# KiCad board TKL.kicad_pcb (continued)
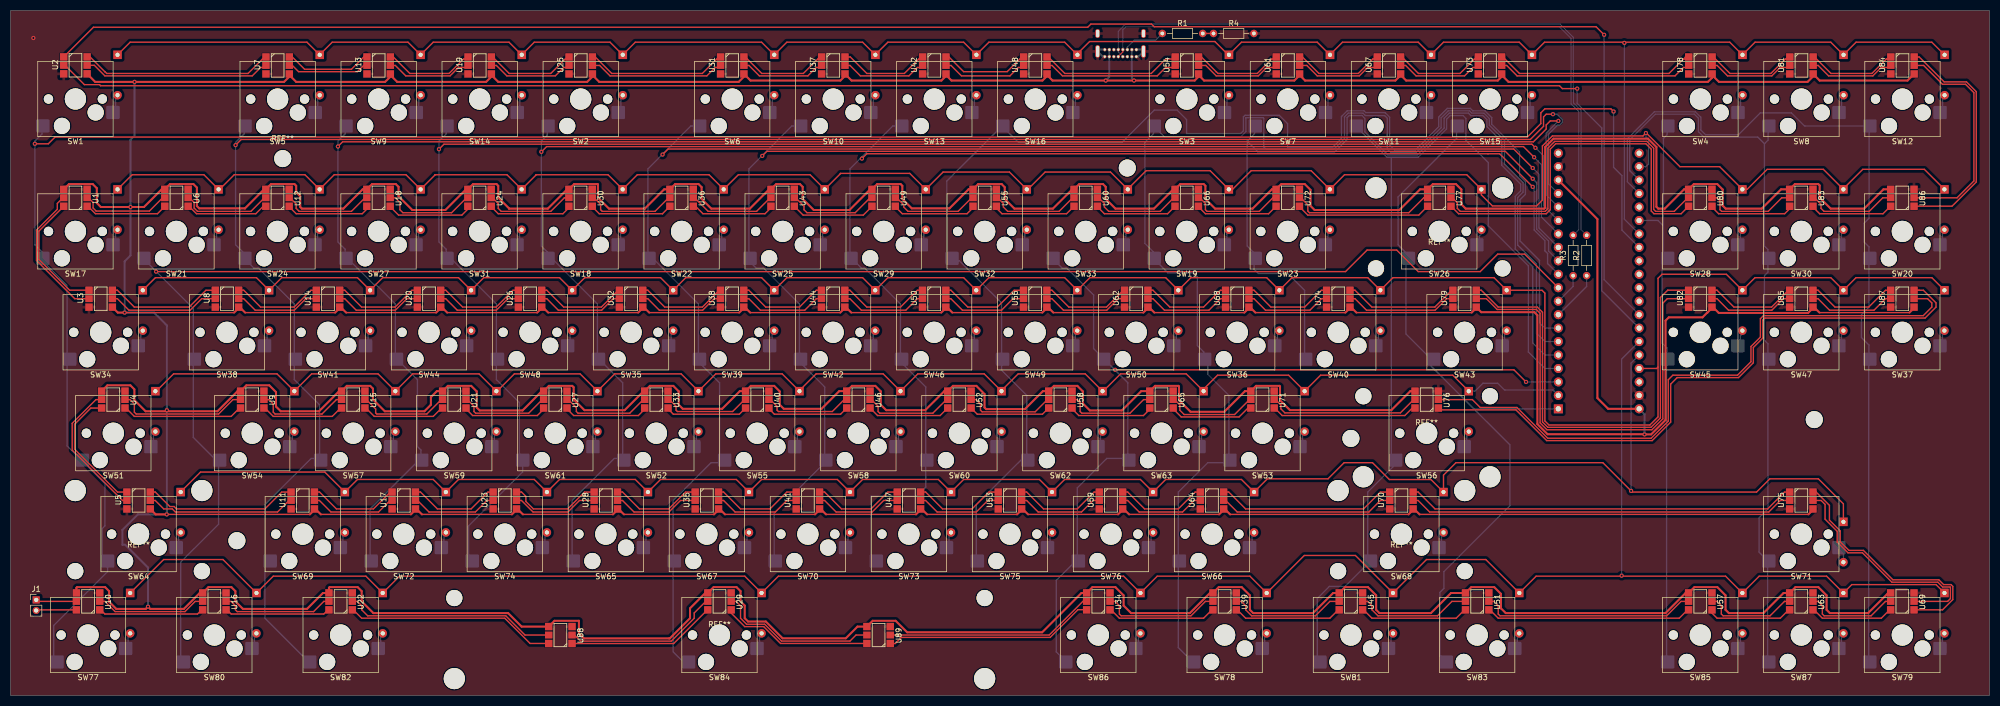
[diagram p0: board, top side]
## Routing (per net, layer and track width the routed paths; a pad name or vN(x,y) marks a point on that pad's centre or on a via; arc(x,y) is an arc through that point) (continued)
Row5: length 378.2
  Top w0.25: 32.07,38.42 35.81,42.16 59.25,42.16 D69.1 65.41,40.77 79.69,40.77 D72.1 84.45,40.77 98.74,40.77 D74.1 103.5,40.77 117.79,40.77 D65.1 122.56,40.77 136.84,40.77 D67.1 141.6,40.77 155.89,40.77 D70.1 160.66,40.77 174.94,40.77 D73.1 179.71,40.77 193.99,40.77 D75.1 198.75,40.77 213.04,40.77 D76.1 217.81,40.77 232.09,40.77 D66.1 236.98,40.89 248.41,40.89 251.46,43.94 256.79,43.94 259.98,40.75 267.83,40.75 D68.1 270.19,41.59 272.54,43.94 300.23,43.94 v1(305.56,38.61) 305.78,38.39 329.22,38.39 331.72,40.89 340.87,40.89 345.6,36.16 D71.1
  Bottom w0.25: U90.36 305.56,62.74 v1(305.56,38.61)
Row6: length 421.2
  Top w0.25: D77.1 28.86,25.65 40.04,25.65 D80.1 49.53,22.51 66.99,22.51 D82.1 73.34,22.51 138.43,22.51 D84.1 144.78,22.51 209.87,22.51 D86.1 216.22,22.51 233.68,22.51 D78.1 243.94,26.42 253.59,26.42 D81.1 266.99,25.65 278.16,25.65 D83.1 287.65,22.51 303.69,22.51 v1(303.78,22.61) 303.88,22.51 323.37,22.51 D85.1 329.72,22.51 342.42,22.51 D87.1 347.19,20.92 363.06,20.92 D79.1
  Bottom w0.25: U90.35 303.78,63.5 v1(303.78,22.61)
Net-(D1-A): length 3.1
  Bottom w0.25: 20.16,113 19.78,112.62 19.78,110.06
Net-(D2-A): length 3.1
  Bottom w0.25: 115.41,113 115.06,112.65 115.06,110.04
Net-(D3-A): length 3.1
  Bottom w0.25: 229.71,113 229.36,112.65 229.36,110.04
Net-(D4-A): length 3.1
  Bottom w0.25: 326.2,110.04 326.2,112.65 326.55,113
Net-(D5-A): length 3.1
  Bottom w0.25: 58.26,113 57.91,112.65 57.91,110.04
Net-(D6-A): length 3.1
  Bottom w0.25: 143.64,110.04 143.64,112.65 143.99,113
Net-(D7-A): length 2.6
  Bottom w0.25: 248.41,110.04 248.41,112.65
Net-(D8-A): length 3.1
  Bottom w0.25: 345.25,110.04 345.25,112.65 345.6,113
Net-(D9-A): length 3.1
  Bottom w0.25: 76.96,110.04 76.96,112.65 77.31,113
Net-(D10-A): length 3.1
  Bottom w0.25: 162.69,110.04 162.69,112.65 163.04,113
Net-(D11-A): length 2.6
  Bottom w0.25: 267.46,110.04 267.46,112.65
Net-(D12-A): length 3.1
  Bottom w0.25: 364.65,113 364.3,112.65 364.3,110.04
Net-(D13-A): length 3.1
  Bottom w0.25: 182.09,113 181.74,112.65 181.74,110.04
Net-(D14-A): length 3.1
  Bottom w0.25: 96.01,110.04 96.01,112.65 96.36,113
Net-(D15-A): length 3.1
  Bottom w0.25: 286.86,113 286.51,112.65 286.51,110.04
Net-(D16-A): length 3.1
  Bottom w0.25: 201.14,113 200.79,112.65 200.79,110.04
Net-(D17-A): length 2.9
  Bottom w0.25: 19.78,85.06 19.78,87.95
Net-(D18-A): length 2.3
  Bottom w0.25: 115.03,85.06 115.03,87.39
Net-(D19-A): length 2.7
  Bottom w0.25: 229.33,85.06 229.33,87.1 229.83,87.59
Net-(D20-A): length 3.2
  Bottom w0.25: 364.27,85.06 364.27,87.23 365.03,87.99
Net-(D21-A): length 3.1
  Bottom w0.25: 38.83,85.06 38.83,88.19
Net-(D22-A): length 2.6
  Bottom w0.25: 134.08,85.06 134.08,87.65
Net-(D23-A): length 2.4
  Bottom w0.25: 248.38,85.06 248.38,87.15 248.63,87.39
Net-(D24-A): length 2.8
  Bottom w0.25: 57.88,85.06 57.88,87.85
Net-(D25-A): length 2.4
  Bottom w0.25: 153.13,85.06 153.13,87.49
Net-(D26-A): length 2.9
  Bottom w0.25: 277.83,87.59 276.96,86.72 276.96,85.06
Net-(D27-A): length 2.8
  Bottom w0.25: 76.93,85.06 76.93,87.89
Net-(D28-A): length 2.5
  Bottom w0.25: 326.17,85.06 326.17,87.54
Net-(D29-A): length 2.9
  Bottom w0.25: 172.18,85.06 172.18,87.95
Net-(D30-A): length 2.5
  Bottom w0.25: 345.22,85.06 345.22,87.54
Net-(D31-A): length 2.9
  Bottom w0.25: 95.98,85.06 95.98,87.95
Net-(D32-A): length 2.7
  Bottom w0.25: 191.23,85.06 191.23,87.2 191.63,87.59
Net-(D33-A): length 2.5
  Bottom w0.25: 210.28,85.06 210.28,87.05 210.63,87.39
Net-(D34-A): length 2.9
  Bottom w0.25: 24.55,66.01 24.55,68.91
Net-(D35-A): length 2.9
  Bottom w0.25: 124.56,66.01 124.56,68.86
Net-(D36-A): length 3.4
  Bottom w0.25: 238.86,66.01 238.86,69.36
Net-(D37-A): length 2.5
  Bottom w0.25: 364.27,66.01 364.27,68.55
Net-(D38-A): length 2.9
  Bottom w0.25: 48.36,66.01 48.36,68.92
Net-(D39-A): length 2.8
  Bottom w0.25: 143.61,66.01 143.61,68.77
Net-(D40-A): length 2.9
  Bottom w0.25: 257.91,66.01 257.91,68.87
Net-(D41-A): length 3
  Bottom w0.25: 67.41,66.01 67.41,68.97
Net-(D42-A): length 2.8
  Bottom w0.25: 162.66,66.01 162.66,68.82
Net-(D43-A): length 2.9
  Bottom w0.25: 281.72,66.01 281.72,68.88
Net-(D44-A): length 2.8
  Bottom w0.25: 86.46,66.01 86.46,68.82
Net-(D45-A): length 2.6
  Bottom w0.25: 326.17,66.01 326.17,67.93 326.63,68.39
Net-(D46-A): length 2.7
  Bottom w0.25: 181.71,66.01 181.71,68.67
Net-(D47-A): length 2.2
  Bottom w0.25: 345.22,66.01 345.22,68.18
Net-(D48-A): length 2.7
  Bottom w0.25: 105.51,66.01 105.51,68.67
Net-(D49-A): length 2.9
  Bottom w0.25: 200.76,66.01 200.76,68.86
Net-(D50-A): length 3
  Bottom w0.25: 219.81,66.01 219.81,68.97
Net-(D51-A): length 2.7
  Bottom w0.25: 26.93,46.96 26.93,49.69
Net-(D52-A): length 2.7
  Bottom w0.25: 129.32,46.96 129.32,49.68
Net-(D53-A): length 3
  Bottom w0.25: 243.62,46.96 243.62,49.98
Net-(D54-A): length 2.7
  Bottom w0.25: 53.12,46.96 53.12,49.68
Net-(D55-A): length 2.9
  Bottom w0.25: 148.35,46.96 148.35,49.87
Net-(D56-A): length 2.6
  Bottom w0.25: 274.58,46.96 274.58,49.54
Net-(D57-A): length 3.2
  Bottom w0.25: 72.17,46.96 72.17,50.13
Net-(D58-A): length 2.8
  Bottom w0.25: 167.42,46.96 167.42,49.78
Net-(D59-A): length 2.8
  Bottom w0.25: 91.22,46.96 91.22,49.8
Net-(D60-A): length 2.5
  Bottom w0.25: 186.47,46.96 186.47,49.43
Net-(D61-A): length 3.1
  Bottom w0.25: 110.27,46.96 110.27,50.03
Net-(D62-A): length 2.7
  Bottom w0.25: 205.51,46.96 205.51,49.67
Net-(D63-A): length 3
  Bottom w0.25: 224.57,46.96 224.57,49.93
Net-(D64-A): length 2.7
  Bottom w0.25: 31.69,27.91 31.69,30.65
Net-(D65-A): length 3
  Bottom w0.25: 119.8,27.91 119.8,30.96
Net-(D66-A): length 2.8
  Bottom w0.25: 234.1,27.91 234.1,30.66
Net-(D67-A): length 2.9
  Bottom w0.25: 138.85,27.91 138.85,30.81
Net-(D68-A): length 3.1
  Bottom w0.25: 269.81,27.91 269.81,30.98
Net-(D69-A): length 2.9
  Bottom w0.25: 62.65,27.91 62.65,30.78
Net-(D70-A): length 2.5
  Bottom w0.25: 157.9,27.91 157.9,30.46
Net-(D71-A): length 2.4
  Bottom w0.25: D71.2 345.6,27.53
Net-(D72-A): length 3.4
  Bottom w0.25: 81.7,27.91 81.7,31.33
Net-(D73-A): length 3
  Bottom w0.25: 176.95,27.91 176.95,30.91
Net-(D74-A): length 2.6
  Bottom w0.25: 100.75,27.91 100.75,30.51
Net-(D75-A): length 3
  Bottom w0.25: 196,27.91 196,30.96
Net-(D76-A): length 2.9
  Bottom w0.25: 215.05,27.91 215.05,30.81
Net-(D77-A): length 2.9
  Bottom w0.25: 22.16,8.86 22.16,11.78
Net-(D78-A): length 2.6
  Bottom w0.25: 236.48,8.86 236.48,11.44
Net-(D79-A): length 3.3
  Bottom w0.25: 364.27,8.86 364.27,12.15
Net-(D80-A): length 2.9
  Bottom w0.25: 45.98,8.86 45.98,11.78
Net-(D81-A): length 2.8
  Bottom w0.25: 260.29,8.86 260.29,11.65
Net-(D82-A): length 3
  Bottom w0.25: 69.79,8.86 69.79,11.81
Net-(D83-A): length 2.8
  Bottom w0.25: 284.1,8.86 284.1,11.66
Net-(D84-A): length 2.2
  Bottom w0.25: 141.23,8.86 141.23,11.02
Net-(D85-A): length 2.9
  Bottom w0.25: 326.17,8.86 326.17,11.73
Net-(D86-A): length 3
  Bottom w0.25: 212.66,8.86 212.66,11.83
Net-(D87-A): length 2.9
  Bottom w0.25: 345.22,8.86 345.22,11.78
Net-(R1-Pad2): length 2
  Top w0.25: R1.2 R4.1
Net-(U1-CIN): length 16.7
  Top w0.25: 28.67,93.95 26.16,91.44 16.13,91.44 15.56,92.01 15.56,93.06 14.67,93.95
Net-(U1-COUT): length 26.8
  Top w0.25: U3.2 12.1,74.9 4.88,82.11 4.88,87.84 8.81,91.77 8.81,92.89 9.87,93.95
Net-(U1-DIN): length 15.6
  Top w0.25: 29.07,92.32 27.69,90.93 16,90.93 14.59,92.35
Net-(U1-DOUT): length 23.8
  Top w0.25: U3.1 11.13,76.5 5.33,82.3 5.33,87.66 U1.6
Net-(U2-COUT): length 35
  Top w0.25: U2.5 15.8,118.95 17.78,116.97 45.56,116.97 47.15,118.55 47.94,118.55
Net-(U2-DOUT): length 35.4
  Top w0.25: 14.97,120.55 17.78,117.74 17.81,117.74 18.12,117.42 44.77,117.42 47.49,120.14 47.94,120.14
Net-(U3-COUT): length 21
  Top w0.25: U3.5 20.14,74.9 22.31,72.72 33.86,72.72 36.04,74.9 38.42,74.9
Net-(U3-DOUT): length 21.9
  Top w0.25: U3.6 20.14,76.5 23.32,73.31 33.66,73.31 36.83,76.49 38.42,76.49
Net-(U4-CIN): length 24.8
  Top w0.25: U4.2 22.52,55.85 23.34,55.03 23.34,53.47 23.68,53.12 39.21,53.12 41.94,55.85 43.18,55.85
Net-(U4-COUT): length 26.6
  Top w0.25: 21.75,36.8 21.11,36.8 11.61,46.3 11.61,51.37 16.1,55.85 U4.5
Net-(U4-DIN): length 22.7
  Top w0.25: 21.76,54.25 23.34,52.67 41.59,52.67 43.18,54.26
Net-(U4-DOUT): length 24.1
  Top w0.25: 21.75,38.39 20.16,38.39 12.06,46.48 12.06,51.18 15.13,54.25 U4.6
Net-(U10-CIN): length 20.8
  Top w0.25: 36.04,17.75 34.8,17.75 32.87,15.82 19.71,15.82 17.78,17.75 U10.2
Net-(U10-DIN): length 19.7
  Top w0.25: 17,16.15 17.78,15.37 35.24,15.37 36.04,16.16
Net-(U11-CIN): length 28
  Top w0.25: U5.5 27.28,36.8 28.87,35.21 30.48,35.21 31.07,34.62 50.32,34.62 52.5,36.8
Net-(U11-COUT): length 16.1
  Top w0.25: 71.55,36.8 69.37,34.62 60.41,34.62 58.24,36.8 U11.5
Net-(U11-DIN): length 29
  Top w0.25: U5.6 27.28,38.4 30.02,35.66 30.82,35.66 31.27,35.21 47.94,35.21 51.12,38.39 52.7,38.39
Net-(U11-DOUT): length 16.9
  Top w0.25: U11.6 58.25,38.4 61.44,35.21 68.41,35.21 71.59,38.39
Net-(U12-CIN): length 16.8
  Top w0.25: 66.83,93.95 64.26,91.38 54.41,91.38 53.85,91.95 53.85,92.77 52.67,93.95
Net-(U12-COUT): length 16.9
  Top w0.25: 33.72,93.95 34.61,93.06 34.61,92.01 35.24,91.38 45.31,91.38 47.87,93.95
Net-(U12-DIN): length 15.6
  Top w0.25: 67.17,91.81 66.29,90.93 53.85,90.93 52.52,92.26
Net-(U12-DOUT): length 15.2
  Top w0.25: 33.64,92.35 35.05,90.93 46.23,90.93 47.64,92.35
Net-(U13-CIN): length 15.5
  Top w0.25: 66.62,118.93 66.99,118.55 ; 66.99,119.35 65.41,117.76 54.29,117.76 53.12,118.93
Net-(U13-COUT): length 15.9
  Top w0.25: U13.5 72.55,118.93 74.51,116.97 82.87,116.97 84.45,118.55 86.04,118.55
Net-(U13-DIN): length 16
  Top w0.25: 66.99,120.94 64.27,118.21 55.43,118.21 53.11,120.53
Net-(U13-DOUT): length 16.3
  Top w0.25: 86.04,120.14 85.41,120.14 82.68,117.42 75.27,117.42 72.16,120.53
Net-(U14-CIN): length 16.3
  Top w0.25: 57.47,74.9 55.67,74.9 53.5,72.72 46.12,72.72 43.95,74.9 U8.5
Net-(U14-COUT): length 16.3
  Top w0.25: U14.5 63,74.9 65.17,72.72 72.55,72.72 74.72,74.9 76.52,74.9
Net-(U14-DIN): length 17.1
  Top w0.25: 57.47,76.49 56.62,76.49 53.45,73.31 47.14,73.31 43.95,76.5 U8.6
Net-(U14-DOUT): length 17.1
  Top w0.25: U14.6 63,76.5 66.19,73.31 72.5,73.31 75.67,76.49 76.52,76.49
Net-(U15-CIN): length 16.8
  Top w0.25: 67.06,55.85 68.83,54.08 68.83,53.34 69.05,53.12 78.49,53.12 81.21,55.85
Net-(U15-COUT): length 17.6
  Top w0.25: U9.2 48.71,55.85 49.53,55.03 49.53,53.47 49.87,53.12 58.71,53.12 61.44,55.85 62.23,55.85
Net-(U15-DIN): length 15.6
  Top w0.25: 67,54.25 68.58,52.67 79.69,52.67 81.28,54.26
Net-(U15-DOUT): length 15.6
  Top w0.25: 62.23,54.26 60.64,52.67 49.53,52.67 47.95,54.25
Net-(U16-CIN): length 21.3
  Top w0.25: U16.2 41.57,17.75 42.39,16.93 42.39,16.16 42.73,15.82 57.12,15.82 59.06,17.75 59.85,17.75
Net-(U16-DIN): length 19.7
  Top w0.25: 59.85,16.16 59.06,15.37 41.59,15.37 40.81,16.15
Net-(U17-COUT): length 15.9
  Top w0.25: 90.81,36.8 89.8,36.8 87.63,34.62 78.9,34.62 76.72,36.8
Net-(U17-DOUT): length 17.1
  Top w0.25: U17.6 77.29,38.4 80.47,35.21 86.84,35.21 90.01,38.39 90.81,38.39
Net-(U18-CIN): length 17.5
  Top w0.25: 85.97,93.95 83.15,91.13 73.97,91.13 73.41,91.69 73.41,93.07 72.52,93.95 U18.2
Net-(U18-DIN): length 15.8
  Top w0.25: 71.57,92.26 73.15,90.68 85.09,90.68 86.22,91.81
Net-(U19-COUT): length 15.9
  Top w0.25: 105.09,118.55 104.3,118.55 102.71,116.97 93.56,116.97 91.6,118.93 U19.5
Net-(U19-DOUT): length 16.6
  Top w0.25: 105.09,120.14 104.58,120.14 101.85,117.42 94.01,117.42 90.9,120.53
Net-(U20-COUT): length 16.3
  Top w0.25: 95.57,74.9 93.77,74.9 91.6,72.72 84.22,72.72 82.05,74.9 U20.5
Net-(U20-DOUT): length 17.1
  Top w0.25: U20.6 82.05,76.5 85.24,73.31 91.55,73.31 94.72,76.49 95.57,76.49
Net-(U21-CIN): length 16.9
  Top w0.25: 86.11,55.85 87.38,54.58 87.38,53.59 87.69,53.28 97.7,53.28 100.26,55.85
Net-(U21-DIN): length 15.7
  Top w0.25: 100.51,54.03 99.31,52.83 87.12,52.83 85.86,54.09
Net-(U22-CIN): length 39.8
  Top w0.25: 101.12,11.4 97,11.4 93.37,15.02 67.34,15.02 66.2,16.16 66.2,16.93 65.38,17.75 U22.2
Net-(U22-DIN): length 39.1
  Top w0.25: 101.12,9.81 97.95,9.81 93.19,14.57 66.2,14.57 64.62,16.15
Net-(U23-COUT): length 16.3
  Top w0.25: U23.5 96.34,36.8 98.51,34.62 105.09,34.62 107.27,36.8 109.86,36.8
Net-(U23-DOUT): length 17.7
  Top w0.25: U23.6 96.34,38.4 97.16,37.58 97.16,36.62 98.56,35.21 105.04,35.21 108.22,38.39 109.86,38.39
Net-(U24-CIN): length 17.1
  Top w0.25: U30.5 104.42,93.95 101.85,91.38 92.51,91.38 91.95,91.95 91.95,92.87 90.87,93.95
Net-(U24-DIN): length 15.7
  Top w0.25: 105.27,92.07 104.14,90.93 91.95,90.93 90.62,92.26
Net-(U25-COUT): length 25.4
  Top w0.25: U25.5 111.07,118.93 113.03,116.97 131.29,116.97 132.87,118.55 133.67,118.55
Net-(U25-DOUT): length 25.8
  Top w0.25: 133.67,120.14 133.15,120.14 130.43,117.42 113.35,117.42 110.24,120.53
Net-(U26-COUT): length 16.3
  Top w0.25: 114.62,74.9 113.62,74.9 111.44,72.72 103.27,72.72 101.1,74.9 U26.5
Net-(U26-DOUT): length 17.1
  Top w0.25: U26.6 101.1,76.5 104.29,73.31 111.39,73.31 114.57,76.49
Net-(U27-CIN): length 16.7
  Top w0.25: 119.31,55.85 116.75,53.28 106.99,53.28 106.68,53.59 106.68,54.33 105.16,55.85
Net-(U27-DIN): length 15.7
  Top w0.25: 104.91,54.09 106.17,52.83 118.36,52.83 119.56,54.03
Net-(U28-COUT): length 16.3
  Top w0.25: 128.91,36.8 126.32,36.8 124.14,34.62 117.56,34.62 115.39,36.8 U28.5
Net-(U28-DOUT): length 17.1
  Top w0.25: 128.91,38.39 127.27,38.39 124.09,35.21 118.57,35.21 115.39,38.4 U28.6
Net-(U29-CIN): length 30.5
  Top w0.25: U29.2 136.82,17.75 137.64,16.93 137.64,14.57 138.77,13.44 142.19,13.44 145.36,10.26 158.27,10.26 159.41,11.4 161.45,11.4
Net-(U29-COUT): length 28.9
  Top w0.25: 106.32,11.4 107.47,10.25 124.58,10.25 128.91,14.57 128.91,15.57 131.08,17.75
Net-(U29-DIN): length 28.6
  Top w0.25: 161.45,9.81 145.18,9.81 142,12.99 138.43,12.99 135.87,15.55 U29.1
Net-(U29-DOUT): length 28.2
  Top w0.25: 131.43,16.19 125.04,9.8 U88.1
Net-(U30-CIN): length 16.8
  Top w0.25: 110.01,93.95 111.25,92.71 111.25,91.69 111.56,91.38 121.51,91.38 124.07,93.95
Net-(U30-DIN): length 15.8
  Top w0.25: 109.67,92.26 111,90.93 122.94,90.93 122.94,90.96 U36.6
Net-(U31-COUT): length 15.9
  Top w0.25: U31.5 139.23,118.93 141.19,116.97 150.34,116.97 151.92,118.55 152.72,118.55
Net-(U31-DOUT): length 16.6
  Top w0.25: 152.72,120.14 152.2,120.14 149.48,117.42 141.64,117.42 138.53,120.53
Net-(U32-COUT): length 16.3
  Top w0.25: U32.5 120.15,74.9 122.32,72.72 130.49,72.72 132.67,74.9 133.67,74.9
Net-(U32-DOUT): length 17.1
  Top w0.25: 133.62,76.49 130.44,73.31 123.34,73.31 120.15,76.5 U32.6
Net-(U33-CIN): length 16.5
  Top w0.25: 124.21,55.85 125.48,54.58 125.48,53.85 125.73,53.59 136.14,53.59 138.4,55.85
Net-(U33-DIN): length 15.5
  Top w0.25: 123.96,54.09 124.97,53.09 137.41,53.09 138.57,54.25
Net-(U34-CIN): length 22.4
  Top w0.25: 226.54,17.75 225.29,17.75 222.57,15.02 209.42,15.02 209.07,15.37 209.07,16.93 208.25,17.75 207.31,17.75
Net-(U34-COUT): length 39.3
  Top w0.25: U89.2 195.84,11.4 202.43,17.99
Net-(U34-DIN): length 20.3
  Top w0.25: 226.54,16.16 224.95,14.57 209.07,14.57 207.5,16.15
Net-(U34-DOUT): length 39.4
  Top w0.25: U89.1 166.82,9.8 167.97,10.95 196.02,10.95 201.27,16.19 202.63,16.19
Net-(U35-COUT): length 16.3
  Top w0.25: 147.96,36.8 146.37,36.8 144.19,34.62 136.61,34.62 134.44,36.8 U35.5
Net-(U35-DOUT): length 17.1
  Top w0.25: U35.6 134.44,38.4 137.62,35.21 143.19,35.21 146.37,38.39 147.96,38.39
Net-(U36-CIN): length 16.4
  Top w0.25: 128.97,93.95 131.54,91.38 140.66,91.38 143.22,93.95
Net-(U36-DIN): length 15.3
  Top w0.25: 129.14,92.35 130.56,90.93 142.24,90.93 143.37,92.07
Net-(U37-COUT): length 15.9
  Top w0.25: U37.5 158.28,118.93 160.24,116.97 169.39,116.97 170.97,118.55 171.77,118.55
Net-(U37-DOUT): length 16.9
  Top w0.25: 171.77,120.14 171.25,120.14 168.53,117.42 161.45,117.42 158.34,120.53 U37.6
Net-(U38-COUT): length 16.3
  Top w0.25: 152.72,74.9 151.92,74.9 149.75,72.72 141.37,72.72 139.2,74.9 U38.5
Net-(U38-DOUT): length 17.1
  Top w0.25: U38.6 139.2,76.5 142.39,73.31 148.75,73.31 151.92,76.49 152.72,76.49
Net-(U39-CIN): length 21.9
  Top w0.25: 250.35,17.75 248.76,17.75 246.04,15.02 234.02,15.02 232.89,16.16 232.89,16.93 232.07,17.75 U39.2
Net-(U39-DIN): length 20.3
  Top w0.25: 231.31,16.15 232.89,14.57 248.76,14.57 250.35,16.16
Net-(U40-CIN): length 16.2
  Top w0.25: 143.24,55.85 144.53,54.56 144.53,53.85 144.78,53.59 154.94,53.59 157.19,55.85
Net-(U40-DIN): length 15.6
  Top w0.25: 142.99,54.11 144.02,53.09 156.5,53.09 U46.6
Net-(U41-COUT): length 16.3
  Top w0.25: U41.5 153.49,36.8 155.66,34.62 162.45,34.62 164.62,36.8 167,36.8
Net-(U41-DOUT): length 17.1
  Top w0.25: U41.6 153.49,38.4 156.67,35.21 162.24,35.21 165.42,38.39 167,38.39
Net-(U42-COUT): length 15.9
  Top w0.25: 190.82,118.55 190.02,118.55 188.44,116.97 179.29,116.97 177.33,118.93 U42.5
Net-(U42-DOUT): length 16
  Top w0.25: 176.94,120.53 179.71,117.76 187.92,117.76 190.3,120.14 190.82,120.14
Net-(U43-CIN): length 16.8
  Top w0.25: 148.02,93.95 149.61,92.37 149.61,91.69 150.17,91.13 159.26,91.13 162.08,93.95
Net-(U43-DIN): length 16
  Top w0.25: 162.42,92.32 160.78,90.68 149.44,90.68 U43.1
Net-(U44-COUT): length 16.3
  Top w0.25: 171.77,74.9 170.97,74.9 168.8,72.72 160.42,72.72 158.25,74.9 U44.5
Net-(U44-DOUT): length 17.1
  Top w0.25: U44.6 158.25,76.5 161.44,73.31 167.8,73.31 170.97,76.49 171.77,76.49
Net-(U45-CIN): length 21.9
  Top w0.25: 274.16,17.75 271.78,17.75 269.06,15.02 257.84,15.02 256.7,16.16 256.7,16.93 255.88,17.75 U45.2
Net-(U45-DIN): length 20.3
  Top w0.25: 274.16,16.16 272.57,14.57 256.7,14.57 255.12,16.15
Net-(U46-CIN): length 16.9
  Top w0.25: 162.31,55.85 163.58,54.58 163.58,53.59 163.89,53.28 173.9,53.28 176.46,55.85
Net-(U46-DIN): length 15.8
  Top w0.25: U46.1 163.48,52.83 175.26,52.83 176.68,54.25
Net-(U47-COUT): length 16.3
  Top w0.25: 186.06,36.8 184.26,36.8 182.09,34.62 174.71,34.62 172.54,36.8 U47.5
Net-(U47-DOUT): length 17.1
  Top w0.25: U47.6 172.54,38.4 175.72,35.21 181.29,35.21 184.47,38.39 186.06,38.39
Net-(U48-COUT): length 25.4
  Top w0.25: U48.5 196.38,118.93 198.34,116.97 216.22,116.97 217.81,118.55 219.39,118.55
Net-(U48-DOUT): length 26.1
  Top w0.25: 195.68,120.53 198.79,117.42 215.08,117.42 217.81,120.14 219.39,120.14
Net-(U49-CIN): length 16.5
  Top w0.25: 167.07,93.95 168.4,92.62 168.4,92.2 169.22,91.38 178.66,91.38 181.22,93.95
Net-(U49-DIN): length 15.7
  Top w0.25: 181.47,92.07 180.34,90.93 168.15,90.93 166.82,92.26
Net-(U50-COUT): length 16.3
  Top w0.25: 190.82,74.9 189.02,74.9 186.85,72.72 179.47,72.72 177.3,74.9 U50.5
Net-(U50-DOUT): length 17.1
  Top w0.25: U50.6 177.3,76.5 180.49,73.31 186.06,73.31 189.23,76.49 190.82,76.49
Net-(U51-CIN): length 40.7
  Top w0.25: U51.2 279.69,17.75 280.51,16.93 280.51,15.37 280.85,15.02 312.26,15.02 314.99,17.75 316.23,17.75
Net-(U51-DIN): length 38.6
  Top w0.25: 316.23,16.16 314.64,14.57 280.51,14.57 278.94,16.15
Net-(U52-CIN): length 17
  Top w0.25: 195.5,55.85 193.19,53.54 183.19,53.54 182.88,53.85 182.88,55.03 182.06,55.85 U52.2
Net-(U52-DIN): length 15.6
  Top w0.25: U52.1 182.27,53.09 194.56,53.09 195.73,54.25
Net-(U53-COUT): length 16.3
  Top w0.25: 205.1,36.8 204.1,36.8 201.93,34.62 193.76,34.62 191.59,36.8 U53.5
Net-(U53-DOUT): length 17.1
  Top w0.25: U53.6 191.59,38.4 194.77,35.21 201.14,35.21 204.31,38.39 205.1,38.39
Net-(U54-COUT): length 15.9
  Top w0.25: U54.5 225.37,118.93 227.33,116.97 235.27,116.97 236.85,118.55 238.44,118.55
Net-(U54-DOUT): length 16.3
  Top w0.25: 224.54,120.53 227.33,117.74 227.36,117.74 227.67,117.42 235.08,117.42 237.81,120.14 238.44,120.14
Net-(U55-CIN): length 16.7
  Top w0.25: 186.12,93.95 187.2,92.87 187.2,92.2 188.02,91.38 197.71,91.38 200.27,93.95
Net-(U55-DIN): length 15.7
  Top w0.25: U60.6 199.11,90.93 186.94,90.93 185.87,92
Net-(U56-COUT): length 16.3
  Top w0.25: 209.87,74.9 208.87,74.9 206.69,72.72 198.52,72.72 196.35,74.9 U56.5
Net-(U56-DOUT): length 17.1
  Top w0.25: 209.82,76.49 206.64,73.31 199.54,73.31 196.35,76.5 U56.6
Net-(U57-CIN): length 17.6
  Top w0.25: U57.2 321.76,17.75 322.58,16.93 322.58,15.37 322.92,15.02 331.76,15.02 334.49,17.75 335.28,17.75
Net-(U57-DIN): length 16.1
  Top w0.25: 335.28,16.16 333.69,14.57 321.79,14.57 320.81,15.55 U57.1
Net-(U58-CIN): length 17.8
  Top w0.25: U65.5 213.64,55.85 211.07,53.28 201.99,53.28 201.68,53.59 201.68,55.27 201.1,55.85 U58.2
Net-(U58-DIN): length 15.7
  Top w0.25: 200.15,54.1 201.42,52.83 213.61,52.83 214.81,54.03
Net-(U59-COUT): length 16.3
  Top w0.25: 224.16,36.8 223.15,36.8 220.98,34.62 212.81,34.62 210.64,36.8 U59.5
Net-(U59-DOUT): length 17.1
  Top w0.25: U59.6 210.64,38.4 213.82,35.21 220.19,35.21 223.36,38.39 224.16,38.39
Net-(U60-CIN): length 16.7
  Top w0.25: 205.17,93.95 206.25,92.87 206.25,92.2 207.07,91.38 216.76,91.38 219.32,93.95
Net-(U60-DIN): length 15.8
  Top w0.25: 204.92,92.26 206.25,90.93 218.16,90.93 U66.6
Net-(U61-COUT): length 15.9
  Top w0.25: 257.49,118.55 255.91,118.55 254.32,116.97 246.38,116.97 244.42,118.93 U61.5
Net-(U61-DOUT): length 16.3
  Top w0.25: 243.59,120.53 246.7,117.42 254.13,117.42 256.86,120.14 257.49,120.14
Net-(U62-COUT): length 16.3
  Top w0.25: U62.5 215.4,74.9 217.57,72.72 225.95,72.72 228.12,74.9 228.92,74.9
Net-(U62-DOUT): length 17.1
  Top w0.25: 228.92,76.49 228.12,76.49 224.95,73.31 218.59,73.31 215.4,76.5 U62.6
Net-(U63-CIN): length 17.6
  Top w0.25: U63.2 340.81,17.75 341.63,16.93 341.63,15.37 341.97,15.02 350.81,15.02 353.54,17.75 354.33,17.75
Net-(U63-DIN): length 15.6
  Top w0.25: 340.05,16.15 341.63,14.57 352.74,14.57 354.33,16.16
Net-(U64-COUT): length 32.6
  Top w0.25: 229.12,36.8 231.3,34.62 256.11,34.62 258.29,36.8 259.87,36.8
Net-(U64-DOUT): length 33.8
  Top w0.25: U64.6 229.69,38.4 232.87,35.21 255.11,35.21 258.29,38.39 259.87,38.39
Net-(U65-CIN): length 17.1
  Top w0.25: 233.61,55.85 230.79,53.03 221.29,53.03 220.47,53.85 220.47,54.84 219.46,55.85
Net-(U65-DIN): length 15.4
  Top w0.25: 233.32,54.25 231.65,52.58 220.73,52.58 219.21,54.09
Net-(U66-CIN): length 17.2
  Top w0.25: U72.5 238.02,93.95 235.46,91.38 225.61,91.38 225.3,91.69 225.3,92.87 224.22,93.95
Net-(U66-DIN): length 15.8
  Top w0.25: 223.97,92.26 225.3,90.93 237.21,90.93 U72.6
Net-(U67-COUT): length 15.9
  Top w0.25: U67.5 263.05,118.93 265.01,116.97 274.16,116.97 275.75,118.55 276.54,118.55
Net-(U67-DOUT): length 16.6
  Top w0.25: 276.54,120.14 276.03,120.14 273.3,117.42 265.46,117.42 262.35,120.53
Net-(U68-COUT): length 16.3
  Top w0.25: 247.97,74.9 247.17,74.9 245,72.72 236.62,72.72 234.45,74.9 U68.5
Net-(U68-DOUT): length 17.1
  Top w0.25: U68.6 234.45,76.5 237.64,73.31 244,73.31 247.17,76.49 247.97,76.49
Net-(U69-CIN): length 44.6
  Top w0.25: U75.5 341.41,36.8 342.14,36.07 342.14,33.27 344.42,30.99 344.42,28.96 346.46,26.92 349.19,26.92 354.74,21.37 363.4,21.37 364.32,20.46 365.71,20.46 365.77,20.4 365.77,18.28 365.25,17.75 359.09,17.75
Net-(U69-DIN): length 47
  Top w0.25: U75.6 340.44,38.4 342.96,35.88 342.96,33.08 345,31.05 345,29.02 346.64,27.37 349.38,27.37 354.93,21.82 363.59,21.82 364.49,20.92 365.88,20.92 366.22,20.58 366.22,18.09 364.3,16.16 359.09,16.16
Net-(U70-COUT): length 72.6
  Top w0.25: 335.28,36.8 333.69,36.8 331.52,34.62 267.58,34.62 265.4,36.8 U70.5
Net-(U70-DOUT): length 73.5
  Top w0.25: U70.6 265.4,38.4 268.59,35.21 331.31,35.21 334.49,38.39 335.28,38.39
Net-(U71-CIN): length 28.6
  Top w0.25: 238.51,55.85 239.52,54.84 239.52,54.1 240.28,53.34 262.06,53.34 264.57,55.85
Net-(U71-DIN): length 27.1
  Top w0.25: 238.36,54.25 239.78,52.83 262.89,52.83 264.31,54.25
Net-(U72-CIN): length 27
  Top w0.25: U77.5 266.47,93.95 263.65,91.13 244.91,91.13 244.6,91.44 244.6,92.62 243.27,93.95
Net-(U72-DIN): length 25.5
  Top w0.25: U77.6 265.53,90.68 244.6,90.68 243.02,92.26
Net-(U73-COUT): length 36.5
  Top w0.25: U73.5 282.1,118.93 284.06,116.97 313.85,116.97 315.44,118.55 316.23,118.55
Net-(U73-DOUT): length 38.2
  Top w0.25: 281.4,120.53 284.51,117.42 312.71,117.42 315.44,120.14 316.23,120.14 ; 316.23,120.94 315.74,120.45 315.74,120.14
Net-(U74-COUT): length 21
  Top w0.25: U74.5 253.5,74.9 255.67,72.72 268.6,72.72 270.78,74.9 271.78,74.9
Net-(U74-DOUT): length 21.8
  Top w0.25: 271.73,76.49 268.56,73.31 256.69,73.31 253.5,76.5 U74.6
Net-(U76-CIN): length 119.1
  Top w0.25: U87.5 361.47,74.9 362.27,74.1 362.27,73.31 360.65,71.69 330.52,71.69 329.95,71.12 329.95,67.65 328.17,65.87 328.17,62.99 325.63,60.45 313.44,60.45 312.57,59.59 312.57,51.78 309.35,48.55 289.84,48.55 284.04,54.36 277.11,54.36 275.62,55.85 U76.2
Net-(U76-DIN): length 120.2
  Top w0.25: U87.6 359.86,76.5 359.87,76.49 360.68,76.49 363.06,74.1 363.06,73.31 360.99,71.24 330.77,71.24 330.4,70.87 330.4,67.46 328.62,65.68 328.62,62.81 325.81,60 314.26,60 313.02,58.77 313.02,51.59 309.53,48.1 289.65,48.1 283.85,53.91 269.56,53.91
Net-(U77-CIN): length 71.6
  Top w0.25: 271.85,93.95 272.8,93 272.8,91.95 273.36,91.38 289.37,91.38 289.87,91.88 289.87,103.31 291.15,104.59 308.54,104.59 309.82,103.31 309.82,91.75 310.19,91.38 313.69,91.38 316.26,93.95
Net-(U77-DIN): length 70.4
  Top w0.25: U80.6 314.99,90.93 309.88,90.93 309.37,91.44 309.37,103.12 308.36,104.14 291.34,104.14 290.32,103.12 290.32,91.69 289.56,90.93 273.05,90.93 271.63,92.35
Net-(U78-COUT): length 15.9
  Top w0.25: U78.5 321.79,118.93 323.75,116.97 332.1,116.97 333.69,118.55 335.28,118.55
Net-(U78-DOUT): length 16.6
  Top w0.25: 335.28,120.14 334.64,120.14 331.92,117.42 324.2,117.42 321.09,120.53
Net-(U79-COUT): length 85.3
  Top w0.25: 316.23,74.9 312.39,74.9 311.54,74.05 311.54,52.21 309.49,50.15 289.7,50.15 288.41,51.44 288.41,72.15 287.69,72.86 280.31,72.86 278.27,74.9 U79.5
Net-(U79-DOUT): length 86.9
  Top w0.25: U82.1 312.46,76.5 311.09,75.13 311.09,52.39 309.3,50.6 289.88,50.6 288.86,51.63 288.86,72.33 287.88,73.31 280.5,73.31 277.31,76.5 U79.6
Net-(U80-CIN): length 17.8
  Top w0.25: U83.5 333.98,93.95 331.41,91.38 322.64,91.38 322.33,91.69 322.33,93.38 321.76,93.95 U80.2
Net-(U80-DIN): length 15.6
  Top w0.25: 320.81,92.19 322.07,90.93 334.52,90.93 335.46,91.88
Net-(U81-COUT): length 15.9
  Top w0.25: 354.33,118.55 352.74,118.55 351.15,116.97 342.8,116.97 340.84,118.93 U81.5
Net-(U81-DOUT): length 16.6
  Top w0.25: 354.33,120.14 353.69,120.14 350.97,117.42 343.25,117.42 340.14,120.53
Net-(U82-COUT): length 16.3
  Top w0.25: U82.5 321.76,74.9 323.94,72.72 332.1,72.72 334.28,74.9 335.28,74.9
Net-(U82-DOUT): length 17.1
  Top w0.25: 335.23,76.49 332.06,73.31 324.95,73.31 321.76,76.5 U82.6
Net-(U83-CIN): length 16.9
  Top w0.25: 340.14,93.95 341.38,92.71 341.38,91.95 341.94,91.38 350.46,91.38 353.03,93.95 U86.5
Net-(U83-DIN): length 15.7
  Top w0.25: 339.86,92.19 341.12,90.93 353.06,90.93 354.48,92.35
Net-(U84-COUT): length 42.5
  Top w0.25: 359.09,93.95 367.03,93.95 370.2,97.12 370.2,113.79 368.62,115.38 364.28,115.38 360.73,118.93 U84.5
Net-(U84-DOUT): length 44.9
  Top w0.25: 359.09,92.36 366.08,92.36 370.66,96.94 370.66,113.98 368.8,115.83 364.59,115.83 359.89,120.53 U84.6
Net-(U85-COUT): length 16.3
  Top w0.25: 354.33,74.9 353.54,74.9 351.36,72.72 342.99,72.72 340.81,74.9 U85.5
Net-(U85-DOUT): length 17.1
  Top w0.25: 354.33,76.49 353.54,76.49 350.36,73.31 344,73.31 340.81,76.5 U85.6
Net-(U90-PA11): length 9.6
  Bottom w0.25: R2.1 297.18,77.22 U90.8
Net-(U90-PA12): length 6
  Bottom w0.25: R3.1 294.64,77.22 U90.9
Net-(USB1-CC2): length 8.1
  Bottom w0.25: USB1.B5 210.58,122.38 211.89,123.7 215.9,123.7 R1.1

## Copper pours and planes (outline as drawn; the poured copper is in the pictures)
GND on Top: 373.13,0 0,0 0,129.29 373.13,129.29
GND on Bottom: 373.13,0 0,0 0,129.29 373.13,129.29
